# Altium PCB Fri3D_IRA_01.PcbDoc (part 1 of 2)
Units mm, origin at the board's own origin, x right, y up, seen from the top; angles counter-clockwise.
Board outline 68.5 x 67.5 mm, 2 copper layers (Top Layer, Bottom Layer), stack 1.571 mm thick; 86 components, 64 nets, 330 pads, 65 vias.
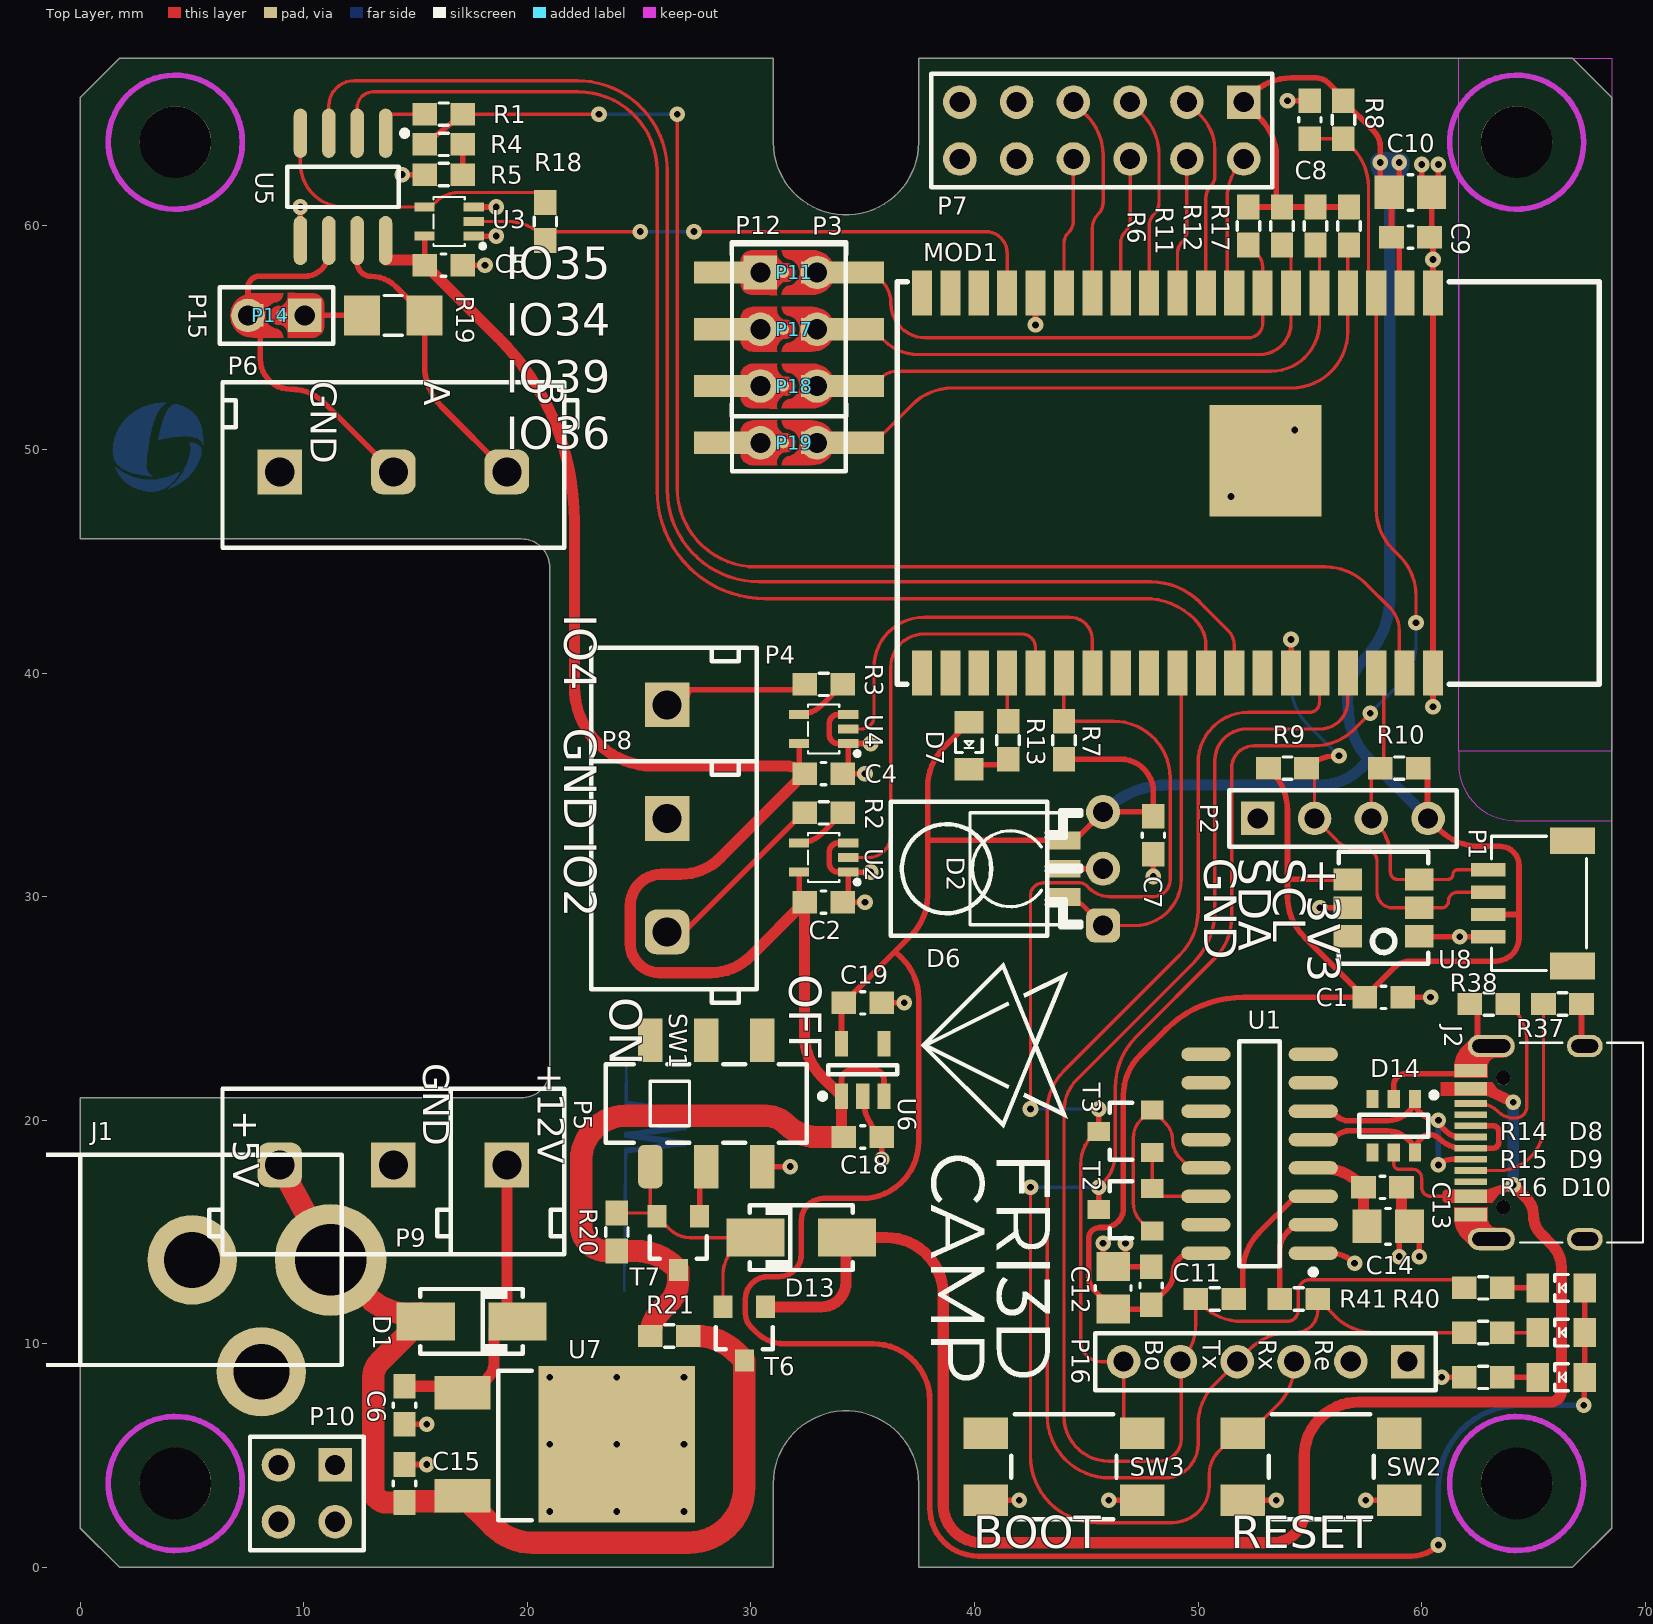
[diagram p0: Top Layer view]
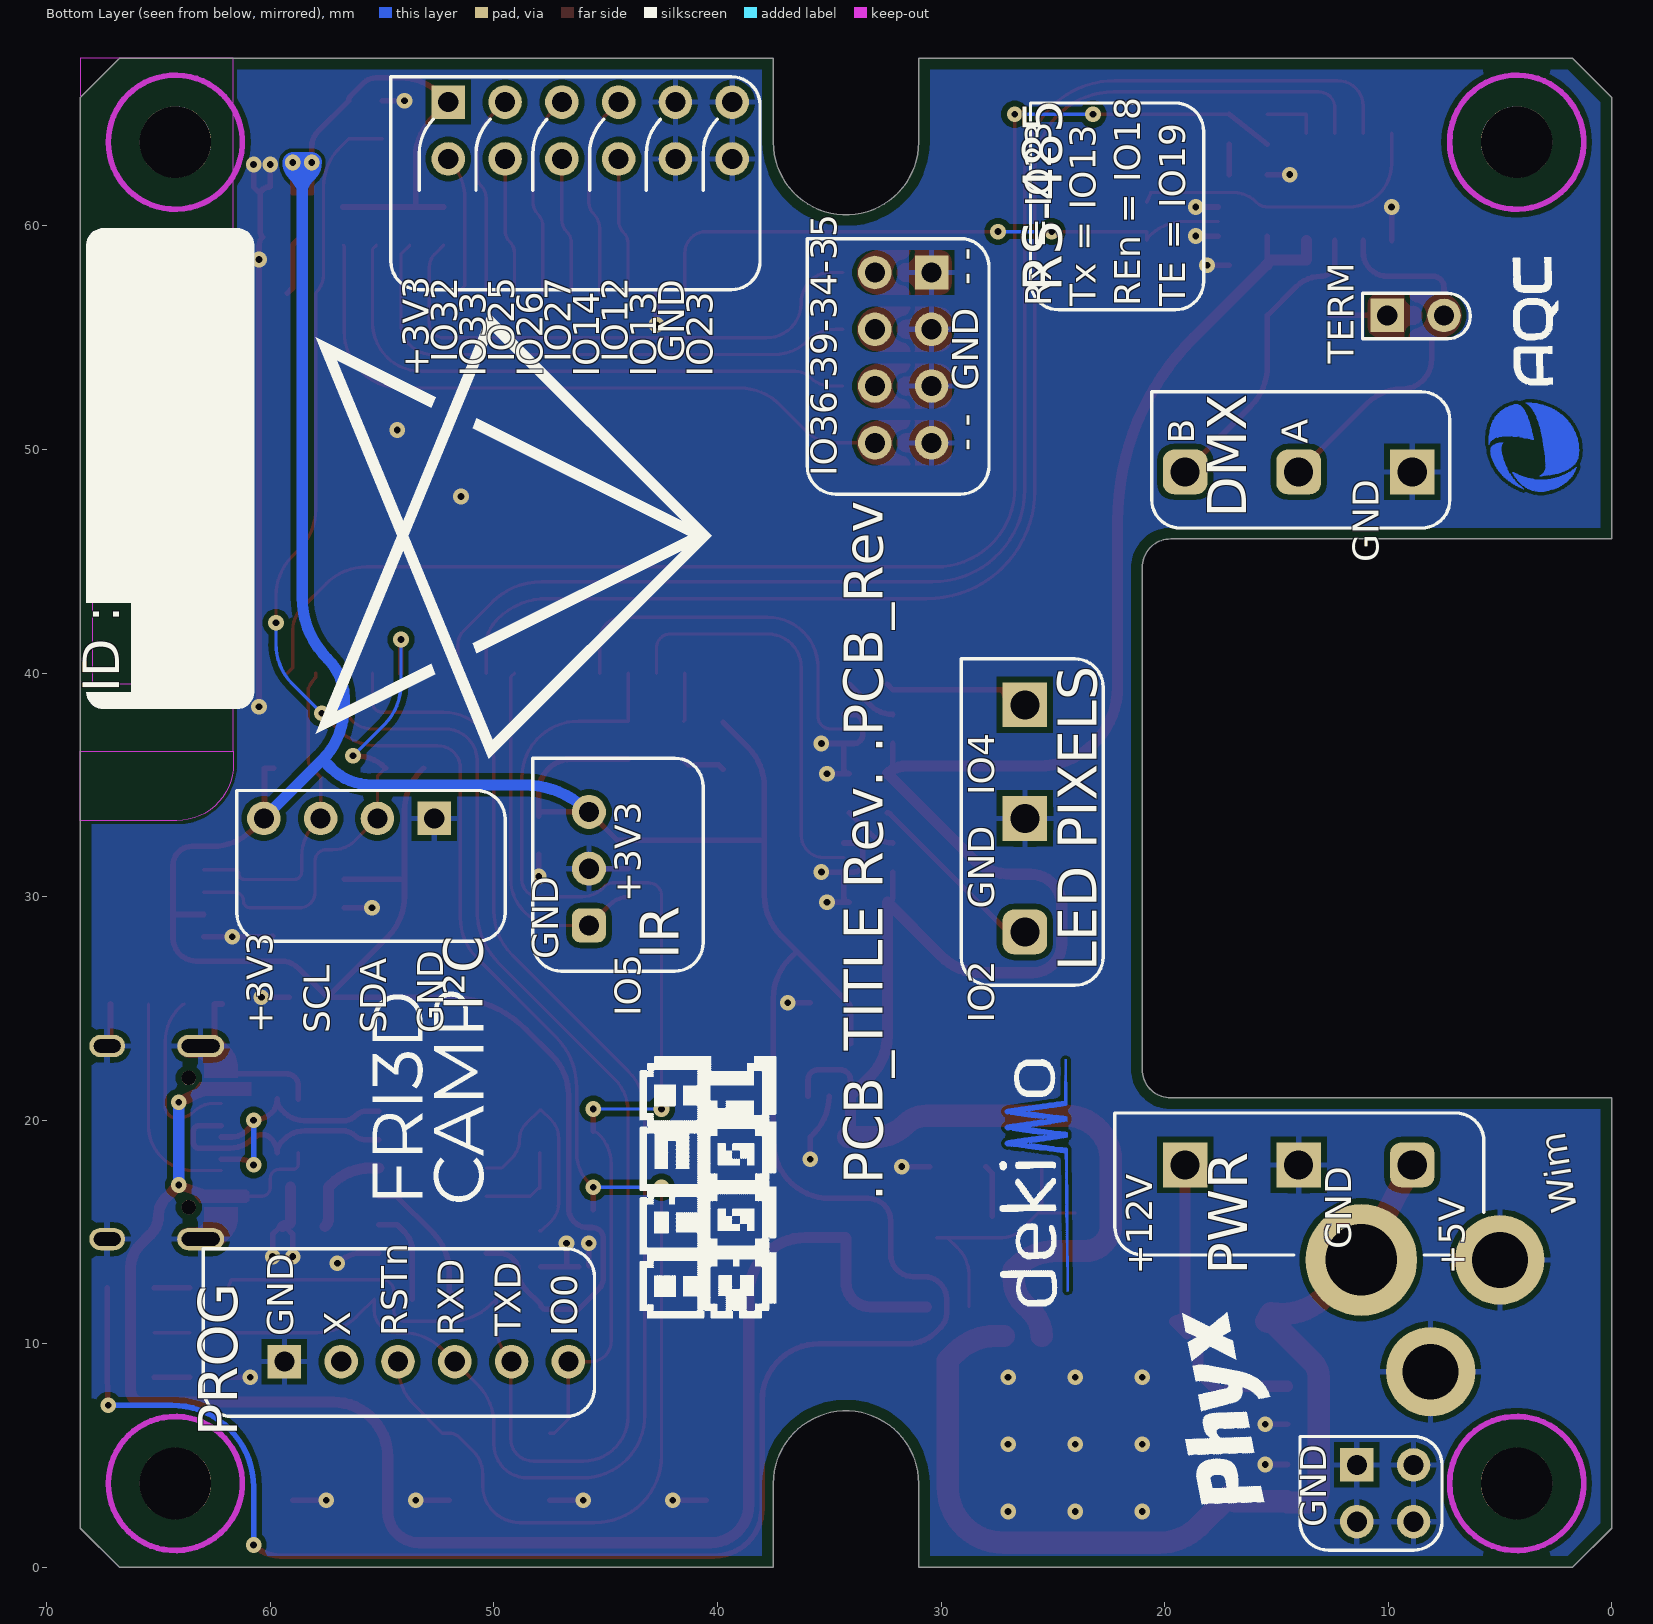
[diagram p1: Bottom Layer view, seen from below]

## Layer stack, top to bottom
Top Solder: solder mask 0.0102, Solder Resist, Dk 3.5
Top Layer: signal copper 0.0356
Dielectric1: core 1.5, FR-4, Dk 4.8
Bottom Layer: signal copper 0.0356
Bottom Solder: solder mask 0.0102, Solder Resist, Dk 3.5

## Board outline
0,1.75 1.75,0 31,0 31,3.75 cw(c34.25,3.75) 37.5,3.75 37.5,0 66.75,0 68.5,1.75 68.5,65.75 66.75,67.5 37.5,67.5 37.5,63.75 cw(c34.25,63.75) 31,63.75 31,67.5 1.75,67.5 0,65.75 0,46 19.73,46 cw(c19.73,44.73) 21,44.73 21,22.27 cw(c19.73,22.27) 19.73,21 0,21

## Design rules (kind name [scope] priority, off if disabled: settings)
BoardOutlineClearance [NOT OnLayer('Top Overlay') AND NOT OnLayer('Bottom Overlay') AND NOT IsText AND NOT HasFootprint('MicroBIT_PCB') AND NOT IsKeepOut] p1: gap=0.5 ignorepadtopadclearanceinfootprint=FALSE except(0: Arc-SplitContinuation Track-SplitContinuation SMDPad-SplitContinuation THPad-SplitContinuation Via-SplitContinuation Fill-SplitContinuation Poly-SplitContinuation Region-SplitContinuation Text-SplitContinuation; 0.15: SMDPad-OutlineEdge THPad-OutlineEdge; 0.25: Region-OutlineEdge; 0.3: Arc-OutlineEdge Track-OutlineEdge; 0.4: Via-OutlineEdge)
Clearance [All] p1: gap=0.15 ignorepadtopadclearanceinfootprint=FALSE except(0: Arc-Hole Track-Hole SMDPad-Hole THPad-Hole Via-Hole Fill-Hole Poly-Hole Region-Hole Text-Hole; 0.25: Arc-Poly Track-Poly SMDPad-Poly THPad-Poly Via-Poly Fill-Poly; 1.1: Poly-Poly)
ComponentClearance ComponentClearance_TP [HasFootprint('TP_2x3mm')] p1: gap=0 collisioncheckmode=3 verticalgap=0 showdistances=FALSE
ComponentClearance [All] p2: gap=0.25 collisioncheckmode=3 verticalgap=0.25 showdistances=FALSE
DiffPairsRouting [All] p1: maxlimit=0.254 minlimit=0.2 mostfreqgap=0.2 toplayer_minwidth=0.25 toplayer_maxwidth=0.5 toplayer_prefwidth=0.25 bottomlayer_minwidth=0.25 bottomlayer_maxwidth=0.5 bottomlayer_prefwidth=0.25 maxuncoupledlength=12.7
HoleSize [All] p1: absolutevalues=TRUE maxlimit=10 minlimit=0.025 maxpercent=80.000 minpercent=20.000
PolygonConnect PolygonConnect_VIA [IsVia] p1: connectstyle=Direct reliefconductorwidth=0.254 reliefentries=4 polygonreliefangle="90 Angle" airgapwidth=0.254
PolygonConnect [All] p2: connectstyle=Relief reliefconductorwidth=0.254 reliefentries=4 polygonreliefangle="90 Angle" airgapwidth=0.254
RoutingVias [All] p1: holewidth=0.3 width=0.7 viastyle="Through Hole" minholewidth=0.3 minwidth=0.2 maxholewidth=0.6 maxwidth=1.2
SilkToSolderMaskClearance SilkscreenOverComponentPads [IsPad] p1: minsilkscreentomaskgap=0.254 clearancetoexposedcopper=TRUE
SolderMaskExpansion [All] p1: expansion=0.05 istentingtop=FALSE
Width [All] p1: maxlimit=5 minlimit=0.15 preferedwidth=0.25
26 further rules are at their usual default settings.

## Classes and differential pairs
net class ESP.IO[0..39]: ESP.IO0 ESP.IO2 ESP.IO4 ESP.IO5 ESP.IO6 ESP.IO7 ESP.IO8 ESP.IO9 ESP.IO10 ESP.IO11 ESP.IO12 ESP.IO13 ESP.IO14 ESP.IO15 ESP.IO16 ESP.IO17 ESP.IO18 ESP.IO19 ESP.IO20 ESP.IO21 ESP.IO22 ESP.IO23 ESP.IO24 ESP.IO25 ESP.IO26 ESP.IO27 ESP.IO28 ESP.IO29 ESP.IO30 ESP.IO31 ESP.IO32 ESP.IO33 ESP.IO34 ESP.IO35 ESP.IO36 ESP.IO37 ESP.IO38 ESP.IO39
net class 90r: USB.D_n USB.D_p
component class Power: C6 C15 C18 C19 D1 D13 R20 R21 SW1 T6 T7 U6 U7
component class Peripherals: C2 C4 C5 C7 D2 D6 P14 P15 R1 R2 R3 R4 R5 R18 R19 U2 U3 U4 U5 U8
component class Fri3D_IRA_01: C1 D14 J1 J2 P1 P2 P3 P4 P5 P6 P7 P8 P9 P10 P11 P12 P17 P18 P19 R6 R11 R12 R17 R37 R38
component class ESP32: C8 C9 C10 C11 C12 C13 C14 D7 D8 D9 D10 MOD1 P16 R7 R8 R9 R10 R13 R14 R15 R16 R40 R41 SW2 SW3 T2 T3 U1
net class POWER: 3V3_ESP 3V3_USB +5VIN +12VIN GND NetD13_C VSYS VUSB
differential pair USB.D: +USB.D_p -USB.D_n

## Components (designator, comment, footprint, x,y, rotation, side; value= is the part's Value field where it differs from the comment)
C1 "" C0603_N 58.3,25.5 r0 top value="100nF 16V"
C2 "" C0603_N 33.25,29.75 r0 top value="100nF 16V"
C4 "" C0603_N 33.25,35.5 r0 top value="100nF 16V"
C5 "" C0603_N 16.25,58.25 r0 top value="100nF 16V"
C6 "CAP_CERAMIC" C0603_N 14.5,7.25 r270 top value="1uF 16V"
C7 "" C0603_N 48,32.75 r270 top value="100nF 16V"
C8 "" C0603_N 55,64.75 r90 top value="100nF 16V"
C9 "" C0603_N 59.5,59.5 r0 top value="100nF 16V"
C10 "CAP_CERAMIC" C0805_N 59.5,61.5 r0 top value="10uF 10V"
C11 "" C0603_N 47.9,12.6 r90 top value="100nF 16V"
C12 "CAP_CERAMIC" C0805_N 46.2,12.5 r270 top value="10uF 10V"
C13 "" C0603_N 58.25,17 r0 top value="100nF 16V"
C14 "CAP_CERAMIC" C0805_N 58.5,15.25 r180 top value="10uF 10V"
C15 "CAP_CERAMIC" C0603_N 14.5,3.75 r90 top value="1uF 16V"
C18 "CAP_CERAMIC" C0603_N 35,19.25 r0 top value="1uF 16V"
C19 "CAP_CERAMIC" C0603_N 35,25.25 r0 top value="1uF 16V"
D1 "MBRA210LT3G" SMA_AC 17.5,11 r0 top
D2 "ZIRM-5042B-42-Z2 Infrared Receiver 38 kHz 45° 2.7-5.5V 940nm" CHAU_ZIRM-5042B-42-Z2 44,31.25 r90 top value=ZIRM-5042B-42-Z2
D6 "IRM-3638N3F14 Infrared Receiver 38 kHz 45° 2.7-5.5V" VIS_TSOP381x_BENT 45.75,31.25 r90 top locked value=IRM-3638N3F14
D7 "Default 0805 Green LED" LED_0805_GR 39.75,36.75 r270 top
D8 "Default 0805 Red LED" LED_0805_RD 66.25,12.5 r180 top
D9 "Default 0805 Green LED" LED_0805_GR 66.25,10.5 r180 top
D10 "Default 0805 Green LED" LED_0805_GR 66.25,8.5 r180 top
D13 "MBRA210LT3G" SMA_AC 32.25,14.75 r180 top
D14 "TVS Diode Dual USB" NXP_SOT457 58.75,19.75 r270 top value=IP4220CZ6
J1 "Socket RA 5.5  with 2.5 barrel" Cliff_DC10 11.2,13.75 r0 top value=Cliff_DC10B
J2 "USB 2.0 C Reversible Receptacle Horizontal" HRO_TYPE-C-31-M-12 64.75,19 r90 top value=TYPE-C-31-M-12
MOD1 "ESP-32 based ESP-WROVER-32" ESP-WROVER-32 52.25,48.5 r270 top locked value=ESP-WROVER-32
P1 "Header 1.0mm RA Shrouded 4" WE_665104131822 62.975,28.2 r90 top value=665104131822
P2 "Header 4" HDR1X4 52.67,33.5 r0 top
P3 "Header 4x2" HDR2X4 30.42,57.92 r270 top locked
P4 "3 Way Screw HDR 5,08mm" TERM_BLK-0508-3-90 26.25,33.5 r270 top value=PM5.08/3/90
P5 "3 Way Screw HDR 5,08mm" TERM_BLK-0508-3-90 14,18 r180 top value=PM5.08/3/90
P6 "3 Way Screw HDR 5,08mm" TERM_BLK-0508-3-90 14,49 r0 top value=PM5.08/3/90
P7 "Header 6X2" HDR2X6 52.04,65.54 r180 top
P8 "2 Way Screw HDR 5,08mm" TERM_BLK-0508-2-90 26.25,30.96 r270 top value=PM5.08/2/90
P9 "2 Way Screw HDR 5,08mm" TERM_BLK-0508-2-90 11.46,18 r180 top value=PM5.08/2/90
P10 "Header 2X2" HDR2X2 11.4,4.58 r180 top
P11 "Easy to solder connection" SOLDER_SW_V_1MM 31.445,57.92 r90 top value="NO BOM"
P12 "Header 3X2" HDR2X3_SMD 31.7,55.38 r270 top
P14 "Easy to solder connection" SOLDER_SW_V_1MM 9,56 r270 top value="NO BOM"
P15 "Header 2" HDR1X2 10.04,56 r180 top
P16 "Header 6" HDR1X6 59.37,9.2 r180 top
P17 "Easy to solder connection" SOLDER_SW_V_1MM 31.445,55.38 r90 top value="NO BOM"
P18 "Easy to solder connection" SOLDER_SW_V_1MM 31.445,52.84 r90 top value="NO BOM"
P19 "Easy to solder connection" SOLDER_SW_V_1MM 31.445,50.3 r90 top value="NO BOM"
R1 "RESISTOR" R0603_N 16.25,65 r0 top value=5K1
R2 "RESISTOR" R0603_N 33.25,33.75 r180 top value=1K2
R3 "RESISTOR" R0603_N 33.25,39.5 r180 top value=1K2
R4 "RESISTOR" R0603_N 16.25,63.65 r0 top value=5K1
R5 "RESISTOR" R0603_N 16.25,62.3 r180 top value=5K1
R6 "RESISTOR" R0603_N 52.25,60 r270 top value=5K1
R7 "RESISTOR" R0603_N 44,37 r90 top value=5K1
R8 "RESISTOR" R0603_N 56.5,64.75 r270 top value=5K1
R9 "RESISTOR" R0603_N 54,35.75 r0 top value=5K1
R10 "RESISTOR" R0603_N 59,35.75 r180 top value=5K1
R11 "RESISTOR" R0603_N 53.75,60 r270 top value=5K1
R12 "RESISTOR" R0603_N 55.25,60 r270 top value=5K1
R13 "RESISTOR" R0603_N 41.5,37 r90 top value=1K2
R14 "RESISTOR" R0603_N 62.75,12.5 r180 top value=1K2
R15 "RESISTOR" R0603_N 62.75,10.5 r180 top value=1K2
R16 "RESISTOR" R0603_N 62.75,8.5 r180 top value=1K2
R17 "RESISTOR" R0603_N 56.75,60 r270 top value=5K1
R18 "RESISTOR" R0603_N 20.8,60.2 r90 top value=100R
R19 "RESISTOR" R1206 14,56 r0 top value=120R
R20 "RESISTOR" R0603_N 24,15 r90 top value=0R
R21 "RESISTOR" R0603_N 26.35,10.35 r0 top value=0R
R37 "RESISTOR" R0603_N 66.3,25.2 r0 top value=5K1
R38 "RESISTOR" R0603_N 63,25.2 r180 top value=5K1
R40 "RESISTOR" R0603_N 54.5,12 r0 top value=100R
R41 "RESISTOR" R0603_N 50.75,12 r180 top value=100R
SW1 "Mini slide switch 2P2T" MSS22D18 28,20.75 r0 top value=MSS22D18
SW2 "SW_TACT" WE_430181038816#1 55.5,4.5 r0 top
SW3 "SW_TACT" WE_430181038816#2 44,4.5 r0 top
T2 "0.2A N-Ch MOSFET Vgs 3.2" SOT23-3 46.75,16 r90 top value=BSS138
T3 "0.2A N-Ch MOSFET Vgs 3.2" SOT23-3 46.75,19.5 r90 top value=BSS138
T6 "-2.3A -20V P-Ch MOSFET Vgs -1V" SOT23-3 29.7,10.45 r180 top value=SL2301
T7 "-2.3A -20V P-Ch MOSFET Vgs -1V" SOT23-3 26.75,14.5 r180 top value=SL2301
U1 "USB to full UART with internal crystal" SOIC_N_16 52.75,18.5 r180 top value=CH340C
U2 "SN74AHCT1G125DCKR  Buffer, Tri-State, 4.5V to 5.5V" TI_DCK_R-PDSO-G5 33.25,31.75 r90 top value=SN74AHCT1G125DCKR
U3 "SN74AHCT1G125DCKR  Buffer, Tri-State, 4.5V to 5.5V" TI_DCK_R-PDSO-G5 16.5,60.2 r90 top value=SN74AHCT1G125DCKR
U4 "SN74AHCT1G125DCKR  Buffer, Tri-State, 4.5V to 5.5V" TI_DCK_R-PDSO-G5 33.25,37.5 r90 top value=SN74AHCT1G125DCKR
U5 "RS-485 5V Transceiver" SOIC_N_8 11.75,61.75 r270 top value=MAX485ECSA+
U6 "3V3 LDO 700mA 50mV" SOT23-5 35,22.25 r90 top value=XC6210B332MR
U7 "78M05" TO-252 24,5.5 r270 top
U8 "AHT 10 Temperature and humidity sensor" AHT10 58.3,29.5 r180 top value=AHT10

## Footprints (in the part's own frame and the unit in brackets; to place one, negate y for a bottom-side part, rotate by r counter-clockwise, add the part's x,y. Pads: shape width x height; smd on the part's side, far side on the other; paste and mask are expansions set on the pad)
AHT10 [mm] "AHT10"
  rect 1.27x1 smd: 1(-1.6,1.27) 2(-1.6,0) 3(-1.6,-1.27) 4(1.6,-1.27) 5(1.6,0) 6(1.6,1.27)
  silkscreen extent -2,-2.5 2,2.5, body extent -2,-2.5 2,2.5, height 1.6
C0603_N [mm] "Low density"
  rect 1.1x1 smd: 1(-0.85,0) 2(0.85,0)
  silkscreen extent -0.1,-0.5 0.1,0.5, body extent -0.8,-0.4 0.8,0.4, height 0.3
C0805_N [mm] "Low density"
  rect 1.3x1.5 smd: 1(-0.95,0) 2(0.95,0)
  silkscreen extent -0.1,-0.8 0.1,0.8, body extent -1,-0.62 1,0.63, height 0.78
CHAU_ZIRM-5042B-42-Z2 [mm] "CHAU SMD IR Receiver"
  rect 0.8x1.5 smd: 1(-1.27,0) 2(0,0) 3(1.27,0)
  silkscreen extent -2.5,0 2.5,4.2, body extent -2.5,0 2.5,4.2, height 4.4
Cliff_DC10 [mm]
  round 5 hole 3.2: 1(0,0)
  round 4 hole 2.5: 2(-3.1,-5) 3(-6.2,0)
  silkscreen extent -14.7,-4.7 0.5,4.7, body extent -14.7,-4.7 0.5,4.7, height 11
ESP-WROVER-32 [mm] "ESP-WROVER-32 Module"
  rect 2x0.9 smd: 1(-8.5,8.258) 2(-8.5,6.988) 3(-8.5,5.718) 4(-8.5,4.448) 5(-8.5,3.178) 6(-8.5,1.908) 7(-8.5,0.638) 8(-8.5,-0.632) 9(-8.5,-1.902) 10(-8.5,-3.172) 11(-8.5,-4.442) 12(-8.5,-5.712) 13(-8.5,-6.982) 14(-8.5,-8.252) 15(-8.5,-9.522) 16(-8.5,-10.79) 17(-8.5,-12.06) 18(-8.5,-13.33) 19(-8.5,-14.6) 20(8.5,-14.6) 21(8.5,-13.33) 22(8.5,-12.06) 23(8.5,-10.79) 24(8.5,-9.522) 25(8.5,-8.252) 26(8.5,-6.982) 27(8.5,-5.712) 28(8.5,-4.442) 29(8.5,-3.172) 30(8.5,-1.902) 31(8.5,-0.632) 32(8.5,0.638) 33(8.5,1.908) 34(8.5,3.178) 35(8.5,4.448) 36(8.5,5.718) 37(8.5,6.988) 38(8.5,8.258)
  rect 5x5 smd paste-10: 39(-1,0.759)
  Keep-Out Layer region: -9,9.4 9,9.4 9,15.7 -9,15.7
  silkscreen extent -9,-15.7 9,15.7, body extent -9,-15.7 9,15.7, height 3.6
HDR1X2 [mm] "Connector; Header; 2 Position"
  rect 1.5x1.5 hole 0.9: 1(0,0)
  round 1.5 hole 0.9: 2(2.54,0)
  silkscreen extent -1.27,-1.27 3.81,1.27, body extent -1.17,-1.25 3.91,1.25, height 8.2
HDR1X4 [mm] "Connector; Header; 4 Position"
  rect 1.5x1.5 hole 0.9: 1(0,0)
  round 1.5 hole 0.9: 2(2.54,0) 3(5.08,0) 4(7.62,0)
  silkscreen extent -1.27,-1.27 8.89,1.27, body extent -1.27,-1.23 8.89,1.27, height 8.2
HDR1X6 [mm] "Connector; Header; 6 Position"
  rect 1.5x1.5 hole 0.9: 1(0,0)
  round 1.5 hole 0.9: 2(2.54,0) 3(5.08,0) 4(7.62,0) 5(10.16,0) 6(12.7,0)
  silkscreen extent -1.27,-1.27 13.97,1.27, body extent -1.27,-1.23 13.97,1.27, height 8.2
HDR2X2 [mm] "Connector; Header; 2x2 Position"
  rect 1.5x1.5 hole 0.9: 1(0,0)
  round 1.5 hole 0.9: 2(0,2.54) 3(2.54,0) 4(2.54,2.54)
  silkscreen extent -1.27,-1.27 3.81,3.81, body extent -1.27,-1.27 3.81,3.81, height 8.67
HDR2X3_SMD [mm] "Connector; Header; 3x2 Position"
  rect 1x3.1 smd: 1(-2.54,-2.7) 2(-2.54,2.7) 3(0,-2.7) 4(0,2.7) 5(2.54,-2.7) 6(2.54,2.7)
  silkscreen extent -3.89,-2.57 3.89,2.57, body extent -3.81,-3.75 3.81,3.75, height 9.62
HDR2X4 [mm] "Connector; Header; 4x2 Position"
  rect 1.5x1.5 hole 0.9: 1(0,0)
  round 1.5 hole 0.9: 2(0,2.54) 3(2.54,0) 4(2.54,2.54) 5(5.08,0) 6(5.08,2.54) 7(7.62,0) 8(7.62,2.54)
  silkscreen extent -1.27,-1.27 8.89,3.81, body extent -1.27,-1.14 8.89,3.68, height 8.13
HDR2X6 [mm] "Connector; Header; 6x2 Position"
  rect 1.5x1.5 hole 0.9: 1(0,0)
  round 1.5 hole 0.9: 2(0,2.54) 3(2.54,0) 4(2.54,2.54) 5(5.08,0) 6(5.08,2.54) 7(7.62,0) 8(7.62,2.54) 9(10.16,0) 10(10.16,2.54) 11(12.7,0) 12(12.7,2.54)
  silkscreen extent -1.27,-1.27 13.97,3.81, body extent -1.27,-1.27 13.97,3.81, height 8.5
HRO_TYPE-C-31-M-12 [mm] "USB C Connector"
  round 0.65 hole 0.65 unplated: 0(-2.89,1.102) 0(2.89,1.102)
  rect 0.3x1.45 smd: A1(-3.375,2.547) A4(-2.55,2.548) A5(-1.25,2.547) A6(-0.25,2.547) A7(0.25,2.547) A8(1.25,2.547) A9(2.55,2.547) A12(3.375,2.548) B1(3.075,2.547) B4(2.25,2.548) B5(1.75,2.548) B6(0.75,2.547) B7(-0.75,2.547) B8(-1.75,2.547) B9(-2.25,2.547) B12(-3.075,2.548)
  oval 1x2.1 hole 0.6 slot 1.7 at 90 deg: MH1(-4.32,1.632) MH4(4.32,1.632)
  oval 1x1.6 hole 0.6 slot 1.2 at 90 deg: MH2(-4.32,-2.548) MH3(4.32,-2.548)
  silkscreen extent -4.47,-5.15 4.47,0.35, body extent -4.5,-5.15 4.44,2.75, height 3.26
LED_0805_GR [mm] "0805 LED GREEN"
  rect 1x1.3 smd: 1(-1.05,0) 2(1.05,0)
  silkscreen extent -0.3,-0.6 0.3,0.6, body extent -1.01,-0.62 1.01,0.63, height 1.1
LED_0805_RD [mm] "0805 LED RED"
  rect 1x1.3 smd: 1(-1.05,0) 2(1.05,0)
  silkscreen extent -0.3,-0.6 0.3,0.6, body extent -1.01,-0.62 1.01,0.62, height 1.1
MSS22D18 [mm] "SWITCH, DPDT, 0.1A, 12VDC, SMD"
  rrect50% 1.1x1.95 smd: 1(-2.5,-2.825)
  rect 1.1x1.95 smd: 2(-2.5,2.825) 3(0,-2.825) 4(0,2.825) 5(2.5,-2.825) 6(2.5,2.825)
  silkscreen extent -4.5,-1.75 4.5,1.75, body extent -4.52,-3.25 4.52,3.65, height 5.45
NXP_SOT457 [mm] "NXP SOT457 SOT23-6 package"
  rect 0.8x0.55 smd: 1(-1.2,0.95) 2(-1.2,0) 3(-1.2,-0.95) 4(1.2,-0.95) 5(1.2,0) 6(1.2,0.95)
  silkscreen extent -1.5,-1.55 0.5,1.93, body extent -1.18,-1.46 1.2,1.46, height 0.93
R0603_N [mm] "Low density"
  rect 1.1x1 smd: 1(-0.85,0) 2(0.85,0)
  silkscreen extent -0.2,-0.5 0.2,0.5, body extent -0.8,-0.41 0.8,0.41, height 0.45
R1206 [mm]
  rect 1.6x1.8 smd: 1(-1.4,0) 2(1.4,0)
  silkscreen extent -0.4,-0.89 0.4,0.89, body extent -1.6,-0.8 1.6,0.8, height 1
SMA_AC [mm] "DO-214AC or SMA footprint with A and C pads"
  rect 2.6x1.7 smd: A(-2.05,0) C(2.05,0)
  silkscreen extent -2.3,-1.45 2.3,1.45, body extent -2.6,-1.3 2.6,1.3, height 2.3
SOIC_N_8 [mm] "150 mil body width"
  oval 2.2x0.6 smd: 1(-2.4,1.905) 2(-2.4,0.635) 3(-2.4,-0.635) 4(-2.4,-1.905) 5(2.4,-1.905) 6(2.4,-0.635) 7(2.4,0.635) 8(2.4,1.905)
  silkscreen extent -2.52,-2.5 0.9,2.88, body extent -3,-2.45 3,2.45, height 1.75
SOIC_N_16 [mm] "150 mil body width"
  oval 2.2x0.6 smd: 1(-2.4,4.445) 2(-2.4,3.175) 3(-2.4,1.905) 4(-2.4,0.635) 5(-2.4,-0.635) 6(-2.4,-1.905) 7(-2.4,-3.175) 8(-2.4,-4.445) 9(2.4,-4.445) 10(2.4,-3.175) 11(2.4,-1.905) 12(2.4,-0.635) 13(2.4,0.635) 14(2.4,1.905) 15(2.4,3.175) 16(2.4,4.445)
  silkscreen extent -2.53,-5.04 0.9,5.42, body extent -3,-5 3,5, height 1.75
SOLDER_SW_V_1MM [mm] "1 mm Custom solder switch"
  round 0.5 smd paste-10 mask+0.05: 1(0,0)
  rect 1x0.4 smd paste-10 mask+0.05: 2(0,-1)
  Top Layer region: -1,-1.2 -1,-0.7 -1,0.074 -0.831,0.043 -0.69,-0.054 -0.6,-0.2 -0.6,-0.2 -0.497,-0.47 -0.28,-0.661 0,-0.73 0.28,-0.661 0.497,-0.47 0.6,-0.2 0.6,-0.2 0.69,-0.054 0.832,0.043 1,0.074 1,0.074 1,-0.7 1,-1.2
  Top Layer region: -1.01,0.275 -1.01,0.6 1,0.6 1,0.275 0.767,0.269 0.56,0.162 0.42,-0.025 0.42,-0.025 0.408,-0.239 0.294,-0.42 0.107,-0.524 -0.107,-0.524 -0.294,-0.42 -0.408,-0.239 -0.42,-0.025 -0.42,-0.025 -0.563,0.163 -0.773,0.271 -1.01,0.275
SOT23-3 [mm] "SOT-23; 3 Leads; Body 3.1 x 2.5 mm, inc. leads (LxW max)"
  rect 0.85x1 smd: 1(-0.95,-1.2) 2(0.95,-1.2) 3(0,1.2)
  silkscreen extent -1.27,-0.3 1.28,0.7, body extent -1.5,-1.32 1.5,1.32, height 1.08
SOT23-5 [mm] "SOT23, 5-Leads, Body 3,1x3,2mm (max), Pitch 0,95mm, IPC Medium Density"
  rect 1.15x0.6 smd: 1(-1.175,0.95) 2(-1.175,0) 3(-1.175,-0.95) 4(1.175,-0.95) 5(1.175,0.95)
  silkscreen extent -1.3,-1.55 0.2,1.92, body extent -1.4,-1.45 1.4,1.45, height 1.45
TERM_BLK-0508-2-90 [mm] "5.08 mm pitch Terminal Block 2 way"
  rect 2x2 hole 1.3: 1(-2.54,0)
  rrect50% 2x2 hole 1.3: 2(2.54,0)
  silkscreen extent -5.1,-3.4 5.7,4, body extent -5.68,-3.4 5.68,4.1, height 9.95
TERM_BLK-0508-3-90 [mm] "5.08 mm pitch Terminal Block 3 way"
  rect 2x2 hole 1.3: 1(-5.08,0)
  rrect50% 2x2 hole 1.3: 2(0,0) 3(5.08,0)
  silkscreen extent -7.64,-3.4 8.24,4, body extent -8.22,-3.4 8.22,4.1, height 9.95
TI_DCK_R-PDSO-G5 [mm] "TI-DCK-R-PDSO-G5"
  rect 0.4x0.9 smd: 1(-0.65,-1.1) 2(0,-1.1) 3(0.65,-1.1) 4(0.65,1.1) 5(-0.65,1.1)
  silkscreen extent -1.2,-1.6 1.1,0.7, body extent -1,-1.05 1,1.05, height 0.95
TO-252 [mm] "TO-252"
  rect 1.5x2.5 smd: 1(-2.3,-6.9) 2(2.3,-6.9)
  rect 7x7 smd: 3(0,0)
  silkscreen extent -3.3,-5.3 3.4,-3.8, body extent -3.21,-7 3.37,2.81, height 2.3
VIS_TSOP381x_BENT [mil] "Vischay IR Receiver bent"
  rrect50% 60x60 hole 35.43: 1(-100,0)
  round 60 hole 35.43: 2(0,0) 3(100,0)
  silkscreen extent -118,39 118,374, body extent -122,-51 122,374, height 244
WE_430181038816#1 [mm] "Miniature SMD TACT SW"
  rect 2x1.4 smd: 1(-3.5,1.5) 2(-3.5,-1.5) 2(3.5,-1.5) 3(3.5,1.5)
  silkscreen extent -2.35,-2.35 2.35,2.35, body extent -3.75,-2.25 3.75,2.25, height 3.8
WE_430181038816#2 [mm] "Miniature SMD TACT SW"
  rect 2x1.4 smd: 1(3.5,1.5) 2(-3.5,-1.5) 2(3.5,-1.5) 3(-3.5,1.5)
  silkscreen extent -2.35,-2.35 2.35,2.35, body extent -3.75,-2.25 3.75,2.25, height 3.8
WE_665104131822 [mm]
  rect 0.6x1.55 smd: 1(0,0) 2(1,0) 3(2,0) 4(3,0)
  rect 1.2x2 smd: Z1(-1.3,-3.775) Z2(4.3,-3.775)
  silkscreen extent -1.5,-4.4 4.5,-0.15, body extent -1.5,-4.4 4.5,0.55, height 2.95

## Part data
C1 C2 C4 C5 C7 C8 C9 C11 C13: library part "CAP # 100nF 16V 0603", "Capacitor Ceramic"
C6 C15 C18 C19: library part "CAP # 1uF 16V 0603", "Capacitor Ceramic", Supplier Part Number 1=2320814, Supplier 1=Farnell
C10 C12 C14: library part "CAP # 10uF 10V 0805", "Capacitor Ceramic", Supplier Part Number 1=2320859, Supplier 1=Farnell
D1 D13: library part "Schottky # MBRA210LT3G", "=Description"
D2: library part "PHO IR Rx 940nm ZIRM-5042B-42-Z2", "=Description", Supplier Part Number 1=C575386, Supplier 1=LCSC
D6: library part "PHO IR Rx RA", "=Description", Supplier Part Number 1=C264262, Supplier 1=LCSC
D7 D9 D10: library part "LED # Green 0805", "=Description", Supplier Part Number 1=2099239, Supplier 1=Farnell
D8: library part "LED # Red 0805", "=Description", Supplier Part Number 1=2099236, Supplier 1=Farnell
D14: library part "TVS # IP4220CZ6 Dual USB", "=Description", Supplier Part Number 1=2143248, Supplier 1=Farnell
J1: library part "SCKT 2.5mm barrel", "=Description", Supplier Part Number 1=224960, Supplier 1=Farnell
J2: library part "USB # C 2.0 RCPT TYPE-C-31-M-12", Supplier Part Number 1="HRO TYPE-C-31-M-12", Supplier 1=China, Supplier 2=LCSC, Supplier 3="LCSC ALT", Supplier Part Number 2=C165948, Supplier Part Number 3="C167321 / C319148"
MOD1: library part "WiFi # MOD ESP-WROVER-32", "WiFi # MOD ESP-WROVER-32", Supplier Part Number 1=ESP-WROVER-32, Supplier 1=Espressif
P1: library part "HDR # RA SHR 1.0mm 4way - 665104131822", Supplier Part Number 1=665104131822, Supplier 1=Wurth, Supplier 2=Mouser, Supplier Part Number 2=710-665104131822
P2: library part "Pin Header 2.54mm 4way"
P3: library part "Pin Header 2.54mm dual row 8way"
P4 P5 P6: library part "Terminal Block 5.08mm 3way", Supplier 1=Farnell
P7: library part "Pin Header 2.54mm dual row 12way"
P8 P9: library part "Terminal Block 5.08mm 2way", Supplier Part Number 1=1131853, Supplier 1=Farnell
P10: library part "Pin Header 2.54mm dual row 4way"
P11 P14 P17 P18 P19: library part "SOLDER SW V 1MM"
P12: library part "Pin Header # 2.54mm dual row 6way", Supplier Part Number 1=C192301, Supplier 1=LCSC, Supplier 2=LCSC, Supplier Part Number 2=C124390
P15: library part "Pin Header 2.54mm 2way"
P16: library part "Pin Header 2.54mm 6way"
R1 R4 R5 R6 R7 R8 R9 R10 R11 R12 R17 R37 R38: library part "RES # 5K1 0603", Supplier Part Number 1=2845922, Supplier 1=Farnell
R2 R3 R13 R14 R15 R16: library part "RES # 1K2 0603"
R18 R40 R41: library part "RES # 100R 0603"
R19: library part "RES # 120R 1206", Supplier 3=Generic, Supplier Part Number 3="120R 1% 1206"
R20 R21: library part "RES # 0R 0603", Supplier Part Number 1=2447743, Supplier 1=Farnell, Supplier 3=Generic, Supplier Part Number 3="0R 1% 0603"
SW1: library part "SW # 2P2T mini slide MSS22D18", Supplier Part Number 1=C381098, Supplier 1=LCSC, Supplier 2=LCSC, Supplier 3=AliExpress, Supplier Part Number 2=C145845, Supplier Part Number 3=MSS22D18
SW2 SW3: library part "SW # TACT small 4.5x4.5mm SMD WS-TASV"
T2 T3: library part "BSS138 N-Ch MOSFET 0.2A 3.2Vgs 60Vds", Supplier Part Number 1=2432717, Supplier 1=Farnell
T6 T7: library part "SL2301 P-Ch MOSFET -2.3A -20Vds", "=Description", Supplier Part Number 1=C181086, Supplier 1=LCSC
U1: library part "CH340C # UCB UART", "=Description", Supplier Part Number 1=C84681, Supplier 1=LCSC
U2 U3 U4: library part "BUF # 1 SN74AHCT1G125DCKR", "=Description", Supplier Part Number 1=C151417, Supplier 1=LCSC, Supplier 2=LCSC, Supplier Part Number 2=C350557
U5: library part "MAX485 # RS-485 transceiver", Supplier Part Number 1=9724524, Supplier 1=Farnell
U6: library part "LDO # 3V3 XC6210B33", "=Designator", Supplier Part Number 1=1057803, Supplier 1=Farnell
U7: library part "PWR # 78M05 5V LDO TO252", "78M05 5V 750mA LDO"
U8: library part "TMP HUM # AHT10", "=Description", Supplier Part Number 1=C368909, Supplier 1=LCSC

## Free pads (board coordinates)
  rect 3.1x1 smd: 0(29,50.3) 0(34.4,50.3)
  round 0 hole 3 unplated mask+0.2: 0(146,13.5) 0(146,53.5) 0(146,83) 0(146,123)
  round 3.2 hole 3.2 unplated mask+1.5: 1(4.25,3.75) 1(4.25,63.75) 1(64.25,3.75) 1(64.25,63.75)

## Via types
v1: diameter 0.7, hole 0.3, Top Layer to Bottom Layer, tented top, 65 vias

## Nets (pads, with @x,y where several pads share a name; then routed paths per layer and width w, separated by ;. In a path a pad name is that pad's centre, name@x,y a point inside that pad or via, vN(x,y) a via of type N, cw(c..) or ccw(c..) an arc to the next point about the centre after c; other vN are vias at no path point)
3V3_ESP: C1.1 C7.1 C9.1 C10.1 C11.1 C12.2 C19.1 D2.3 D6.3 D7.1 D8.1 D9.1 D10.1 MOD1.2 P1.2 P2.4 P7.1 R6.1 R7.1 R8.1 R9.1 R10.1 R11.1 R12.1 R17.1 U1.16 U6.5 U8.4 | length 246.4
  Top Layer w0.25: U6.5@34.05,23.425 34.05,25.009 cw(c34.391,25.009) C19.1@34.15,25.25 36.45,27.55 ; D7.1@39.75,37.8 38.644,36.694 ccw(c40.44,34.898) 37.9,34.898 37.9,32.52 ; R7.1@44,36.15 46.523,36.15 cw(c46.523,34.671) 48.002,34.665 48,33.79 C7.1@48,33.6 47.921,33.79 D6.3@45.75,33.79 44.48,32.52 D2.3@44,32.52 37.9,32.52 ; U1.16@50.35,14.055 49.755,14.055 ccw(c49.755,13.2) 48.9,13.2 cw(c47.813,13.2) 48.582,12.432 C11.1@47.9,11.75 cw(c47.7,11.75) 47.7,11.55 C12.2@46.2,11.55 45.347,12.403 cw(c45.945,13) 45.1,13 45.1,14.7 cw(c45.6,14.7) 45.6,15.2 45.8,15.2 ccw(c45.8,16.06) 46.66,16.06 46.66,21.108 cw(c49.2,21.108) 47.404,22.904 48.56,24.06 cw(c52.037,20.583) 52.037,25.5 C1.1@57.45,25.5 ; R6.1@52.25,60.85 R11.1@53.5,60.85 ; R9.1@53.15,35.75 53.256,35.644 cw(c51.46,33.848) 54,33.848 54,30.77 ; U8.4@56.7,30.77 54,30.77 ; R17.1@56.75,60.85 R12.1@55.25,60.85 R11.1@53.75,60.85 R11.1@53.5,60.85 ; v1(59,62.842) 59,61.5 C10.1@58.55,61.5 ; MOD1.2@59.238,57 59,57.238 59,59.15 C9.1@58.65,59.5 58.65,61.4 C10.1@58.55,61.5 ; R10.1@59.85,35.75 60.261,35.75 60.261,33.529 P2.4@60.29,33.5 60.796,32.994 ccw(c62.592,34.79) 62.592,32.25 63.5,32.25 cw(c63.5,31.396) 64.354,31.396 64.354,29.2 ; v1(60.75,1) cw(c59.543,2.207) 59.543,0.5 40.154,0.5 cw(c40.154,2.654) 38,2.654 38,7.46 ccw(c35.46,7.46) 35.46,10 31.5,10 cw(c31.5,11.811) 30.22,10.53 30,10.75 cw(c30.604,11.354) 29.75,11.354 29.75,12 cw(c30.75,12) 30.75,13 31.25,13 ccw(c31.25,14) 32.25,14 32.25,15.5 cw(c33.25,15.5) 33.25,16.5 34.96,16.5 ccw(c34.96,19.04) 37.5,19.04 37.5,25.448 ccw(c34.96,25.448) 36.756,27.244 36.45,27.55 ; P1.2@62.975,29.2 64.354,29.2 ; v1(67.25,7.25) D10.1@67.3,8.5 D9.1@67.3,10.5 D8.1@67.3,12.5 ; 36.45,27.55 37.156,28.256 ccw(c35.36,30.052) 37.9,30.052 37.9,32.52 ; R11.1@53.5,60.85 53.5,63.094 ccw(c51.119,63.094) 52.802,64.778 P7.1@52.04,65.54 52.381,65.881 cw(c54.177,64.085) 54.177,66.625 55.282,66.625 cw(c55.282,65.857) 55.825,66.4 56.412,65.813 cw(c56.198,65.6) R8.1@56.5,65.6 57.863,64.237 cw(c57.169,63.544) 58.15,63.544 v1(58.15,62.842) 58.15,61.5 C10.1@58.55,61.5 ; 54,30.77 54,30.002 ccw(c56.54,30.002) 54.744,28.206 C1.1@57.45,25.5 ; C1.1@57.45,25.5 58.749,26.799 cw(c59.521,26.028) 59.521,27.119 63.316,27.119 ccw(c63.316,28.156) 64.354,28.156 64.354,29.2
  Bottom Layer w0.25: v1(60.75,1) 60.75,3.593 cw(c64.407,3.593) 64.407,7.25 v1(67.25,7.25)
  Bottom Layer w0.5: D6.3@45.75,33.79 cw(c48.671,30.869) 48.671,35 55.479,35 ccw(c55.479,37.54) 57.275,35.744 57.666,36.134 ; v1(58.15,62.842) 58.575,62.842 ; v1(59,62.842) 58.575,62.842 ; P2.4@60.29,33.5 60.29,33.51 57.666,36.134 ; 57.666,36.134 cw(c59.965,38.433) 56.713,38.433 cw(c59.277,38.812) 57.445,40.645 ccw(c54.716,43.374) 58.575,43.374 58.575,62.842
3V3_USB: C13.1 C14.2 U1.4 | length 4.3
  Top Layer w0.5: U1.4@55.15,17.865 55.483,17.865 cw(c55.483,15.325) 57.279,17.121 C13.1@57.4,17 57.4,15.612 ccw(c57.912,15.612) C14.2@57.55,15.25
+5VIN: C15.1 D1.A J1.1 P5.3 P9.2 R21.2 T6.3 U7.2 | length 46.7
  Top Layer w1: P9.2@9.155,17.765 P9.2@8.92,18 J1.1@11.2,13.75 12.805,12.145 ccw(c14.773,14.113) 15.256,11.372 D1.A@15.45,11 ccw(c15.45,10.396) 15.023,10.823 13.4,9.2 ccw(c14.124,8.476) 13.1,8.476 13.1,3.5 ccw(c13.7,3.5) 13.7,2.9 C15.1@14.5,2.9 ; C15.1@14.548,2.948 16.848,2.948 U7.2@17.1,3.2 18.456,1.844 ccw(c20.252,3.64) 20.252,1.1 27.2,1.1 ccw(c27.2,3.6) 29.7,3.6 T6.3@29.7,9.25 29.344,9.606 ccw(c27.548,7.81) 27.548,10.35 R21.2@27.2,10.35
+12VIN: C6.1 D1.C P5.1 U7.1 | length 15.4
  Top Layer w0.5: C6.1@14.5,8.1 17.1,8.1 U7.1@17.1,7.8 ccw(c17.1,8.886) 17.868,8.118 18.25,8.5 ccw(c17.646,9.104) 18.5,9.104 18.5,10.615 D1.C@19.08,11.195 ; D1.C@18.995,10.445 D1.C@19.55,11 D1.C@19.08,11.195 ; P5.1@19.08,18 D1.C@19.08,11.195
CH340C.D\T\R\: T2.1 T3.2 U1.13 | length 10
  Top Layer w0.15: T2.1@47.95,15.05 47.875,15.05 47.437,15.488 cw(c48.252,16.302) 47.1,16.302 47.1,19.198 cw(c48.252,19.198) 47.438,20.013 47.875,20.45 T3.2@47.95,20.45 48.566,19.834 cw(c47.862,19.13) 48.857,19.13 ccw(c50.034,19.13) 49.202,18.298 49.635,17.865 U1.13@50.35,17.865
CH340C.R\T\S\: T2.2 T3.1 U1.14 | length 4.1
  Top Layer w0.15: T3.1@47.95,18.55 T2.2@47.95,16.95 48.025,16.95 48.38,16.595 U1.14@50.35,16.595
CH340C.RXD: R41.1 U1.3 | length 6.4
  Top Layer w0.25: R41.1@51.6,12 51.625,12 52,12.375 52,13.21 cw(c54.499,13.21) 52.732,14.977 54.35,16.595 U1.3@55.15,16.595
CH340C.TXD: R40.1 U1.2 | length 4.4
  Top Layer w0.25: R40.1@53.65,12 53.65,14.173 cw(c54.802,14.173) 53.988,14.988 54.325,15.325 U1.2@55.15,15.325
DMX.A: P6.2 P14.2 P15.2 U5.6 | length 16.9
  Top Layer w0.25: U5.6@11.115,59.35 11.115,58.833 cw(c10.032,58.833) 10.032,57.75 8,57.75 ccw(c8,57.25) 7.5,57.25 P15.2@7.5,56 P14.2@8,56 8.05,56 8.05,54.05 ccw(c9.4,54.05) 9.4,52.7 cw(c9.4,50.527) 10.936,52.064 P6.2@14,49
DMX.B: P6.3 R19.2 U5.7 | length 13.4
  Top Layer w0.25: U5.7@12.385,59.35 12.385,58.365 ccw(c13,58.365) 13,57.75 cw(c13,56.181) 14.11,57.29 R19.2@15.4,56 15.4,53.732 ccw(c17.94,53.732) 16.144,51.936 P6.3@19.08,49
DNU_SPI.CLK: MOD1.20
DNU_SPI.CS0: MOD1.19
DNU_SPI.D: MOD1.22
DNU_SPI.HD: MOD1.17
DNU_SPI.Q: MOD1.21
DNU_SPI.WP: MOD1.18
ESP.IO0: MOD1.25 P16.6 R7.2 SW3.1 T3.3 | length 49.5
  Top Layer w0.15: v1(42.5,20.5) 42.5,30.05 cw(c43.064,30.05) 43.064,30.614 44.706,30.614 cw(c44.706,30.181) 45.013,30.488 45.111,30.389 ccw(c46.051,31.33) 46.051,30 47.986,30 ccw(c47.986,30.764) 48.75,30.764 48.75,35.31 ccw(c46.21,35.31) 46.21,37.85 R7.2@44,37.85 43.998,37.852 MOD1.25@43.998,40 ; T3.3@45.55,19.5 45.352,19.422 ccw(c46.66,18.029) 44.75,18.029 44.75,10.117 ccw(c45.667,10.117) 45.667,9.2 P16.6@46.67,9.2 46.67,6.625 47.295,6 SW3.1@47.5,6
  Top Layer w0.25: T3.3@45.55,19.5 v1(45.55,20.5)
  Bottom Layer w0.15: v1(42.5,20.5) v1(45.55,20.5)
ESP.IO2: MOD1.24 U2.2 | length 18.8
  Top Layer w0.15: U2.2@34.35,31.75 35.25,31.75 ccw(c35.25,32.75) 36.25,32.75 36.25,40.25 cw(c37.75,40.25) 37.75,41.75 42.115,41.75 cw(c42.115,41.137) 42.728,41.137 MOD1.24@42.728,40
ESP.IO4: MOD1.26 U4.2 | length 16.8
  Top Layer w0.15: U4.2@34.35,37.5 34.95,37.5 ccw(c34.95,38.05) 35.5,38.05 35.5,40.25 cw(c37.75,40.25) 37.75,42.5 44.25,42.5 cw(c44.25,41.482) 45.268,41.482 MOD1.26@45.268,40
ESP.IO5: D2.1 D6.1 MOD1.29 | length 16.2
  Top Layer w0.15: D6.1@45.75,28.71 47.165,28.71 ccw(c47.165,30.795) 49.25,30.795 49.25,39.828 MOD1.29@49.078,40
  Top Layer w0.2: D2.1@44,29.98 cw(c44,28.821) 44.819,29.641 D6.1@45.75,28.71
ESP.IO12: MOD1.14 P7.8 | length 6.1
  Top Layer w0.15: MOD1.14@43.998,57 44,57.002 44,59.235 cw(c44.64,59.235) 44.188,59.688 ccw(c43.626,60.249) 44.42,60.249 P7.8@44.42,63
ESP.IO13: MOD1.16 R18.1 U3.2 | length 26.9
  Top Layer w0.15: U3.2@17.6,60.2 19.123,60.2 cw(c19.123,58.016) 20.756,59.467 R18.1@20.8,59.35 20.8,59.75 v1(25.05,59.75) ; v1(27.45,59.75) 40.5,59.75 cw(c40.5,58.79) 41.46,58.79 MOD1.16@41.46,57
  Bottom Layer w0.15: v1(25.05,59.75) v1(27.45,59.75)
ESP.IO14: MOD1.13 P7.7 | length 9.1
  Top Layer w0.15: P7.7@44.42,65.54 45.006,64.954 cw(c43.21,63.158) 45.75,63.158 45.75,61.051 cw(c45.024,61.051) 45.537,60.537 ; MOD1.13@45.268,57 45.268,59.887 cw(c46.188,59.887) 45.537,60.537
ESP.IO15: MOD1.23 R13.2 | length 2.2
  Top Layer w0.15: MOD1.23@41.46,40 41.46,37.89 R13.2@41.5,37.85
ESP.IO16: MOD1.27
ESP.IO17: MOD1.28
ESP.IO18: MOD1.30 U5.2 | length 60.9
  Top Layer w0.15: U5.2@12.385,64.15 12.385,65.284 cw(c13.101,65.284) 13.101,66 22.27,66 cw(c22.27,62.47) 25.8,62.47 25.8,48.163 ccw(c30.629,48.163) 30.629,43.333 47.636,43.333 cw(c47.636,40.243) 49.822,42.428 49.887,42.363 cw(c48.774,41.25) 50.348,41.25 MOD1.30@50.348,40
ESP.IO19: MOD1.31 U5.3 | length 63.8
  Top Layer w0.15: U5.3@11.115,64.15 11.115,65.365 cw(c12.25,65.365) 12.25,66.5 22.222,66.5 cw(c22.222,62.466) 26.256,62.466 26.256,48.202 ccw(c30.375,48.202) 30.375,44.083 47.886,44.083 cw(c47.886,40.993) 50.072,43.178 51.348,41.902 cw(c50.696,41.25) 51.618,41.25 MOD1.31@51.618,40
ESP.IO23: MOD1.37 R1.2 R4.1 | length 66.2
  Top Layer w0.15: R1.2@17.1,65 v1(23.2,65) ; v1(26.7,65) 26.7,48.282 ccw(c30.232,48.282) 30.232,44.75 55.698,44.75 cw(c55.698,42.21) 57.494,44.006 58.584,42.916 cw(c57.58,41.912) 59,41.912 59,40.238 MOD1.37@59.238,40
  Top Layer w0.25: R4.1@15.4,63.65 R1.2@17.1,65
  Bottom Layer w0.15: v1(23.2,65) v1(26.7,65)
ESP.IO25: MOD1.10 P7.4 | length 6.1
  Top Layer w0.15: MOD1.10@49.078,57 49.078,58.782 cw(c49.793,58.782) 49.288,59.288 ccw(c48.774,59.801) 49.5,59.801 P7.4@49.5,63
ESP.IO26: MOD1.11 P7.5 | length 9.1
  Top Layer w0.15: P7.5@46.96,65.54 47.506,64.994 cw(c45.71,63.198) 48.25,63.198 48.25,61.051 cw(c47.524,61.051) 48.038,60.538 ccw(c48.592,59.983) 47.808,59.983 MOD1.11@47.808,57
ESP.IO27: MOD1.12 P7.6 | length 6.1
  Top Layer w0.15: MOD1.12@46.538,57 46.538,59.256 cw(c47.219,59.256) 46.737,59.737 ; 46.738,59.738 ccw(c46.2,60.275) 46.96,60.275 P7.6@46.96,63
ESP.IO32: MOD1.8 P7.2 | length 6.3
  Top Layer w0.15: MOD1.8@51.618,57 51.298,57.32 51.298,61.208 cw(c53.832,61.208) P7.2@52.04,63
ESP.IO33: MOD1.9 P7.3 | length 9.1
  Top Layer w0.15: P7.3@49.5,65.54 50.138,64.902 cw(c48.662,63.425) 50.75,63.425 50.75,62.222 cw(c50.153,62.222) 50.575,61.8 ccw(c51.123,61.252) 50.348,61.252 MOD1.9@50.348,57
ESP.IO34: MOD1.6 P3.4 P12.4 P17.2 R11.2 | length 24.5
  Top Layer w0.15: P12.4@34.4,55.38 34.741,55.38 cw(c34.741,53.642) 35.97,54.871 ccw(c37.47,56.37) 37.47,54.25 38.6,54.25 52.75,54.25 ccw(c52.75,55.658) 54.158,55.658 MOD1.6@54.158,57 54.158,58.742 R11.2@53.75,59.15
ESP.IO35: MOD1.7 P3.2 P11.2 P12.2 R6.2 | length 24.3
  Top Layer w0.15: P12.2@34.4,57.92 34.986,57.92 cw(c34.986,56.727) 35.829,57.571 cw(c34.793,56.534) 36.259,56.534 ccw(c37.793,56.534) 37.793,55 38.231,55 ccw(c38.232,57.54) 38.232,55 40.1,55 52.25,55 ccw(c52.25,55.638) 52.888,55.638 MOD1.7@52.888,57 52.888,58.15 ccw(c52.014,58.15) 52.781,58.569 ccw(c52.014,58.15) 52.632,58.768 R6.2@52.25,59.15
ESP.IO36: MOD1.4 P3.8 P19.2 pad.0@34.4,50.3 R17.2 | length 29.9
  Top Layer w0.15: P3.8@32.96,50.3 pad.0@34.4,50.3 34.793,50.3 ccw(c34.793,52.007) 36,50.8 37.206,52.006 cw(c39.002,50.21) 39.002,52.75 54.158,52.75 ccw(c54.158,55.29) 56.698,55.29 MOD1.4@56.698,57 56.698,59.098 R17.2@56.75,59.15
ESP.IO39: MOD1.5 P3.6 P12.6 P18.2 R12.2 | length 26
  Top Layer w0.15: P12.6@34.4,52.84 34.903,52.84 ccw(c34.903,54.205) 35.869,53.24 cw(c36.497,52.612) 36.497,53.5 40.525,53.5 53.25,53.5 ccw(c53.25,55.678) 55.428,55.678 MOD1.5@55.428,57 55.428,58.972 R12.2@55.25,59.15